# KiCad board OctoCom.kicad_pcb
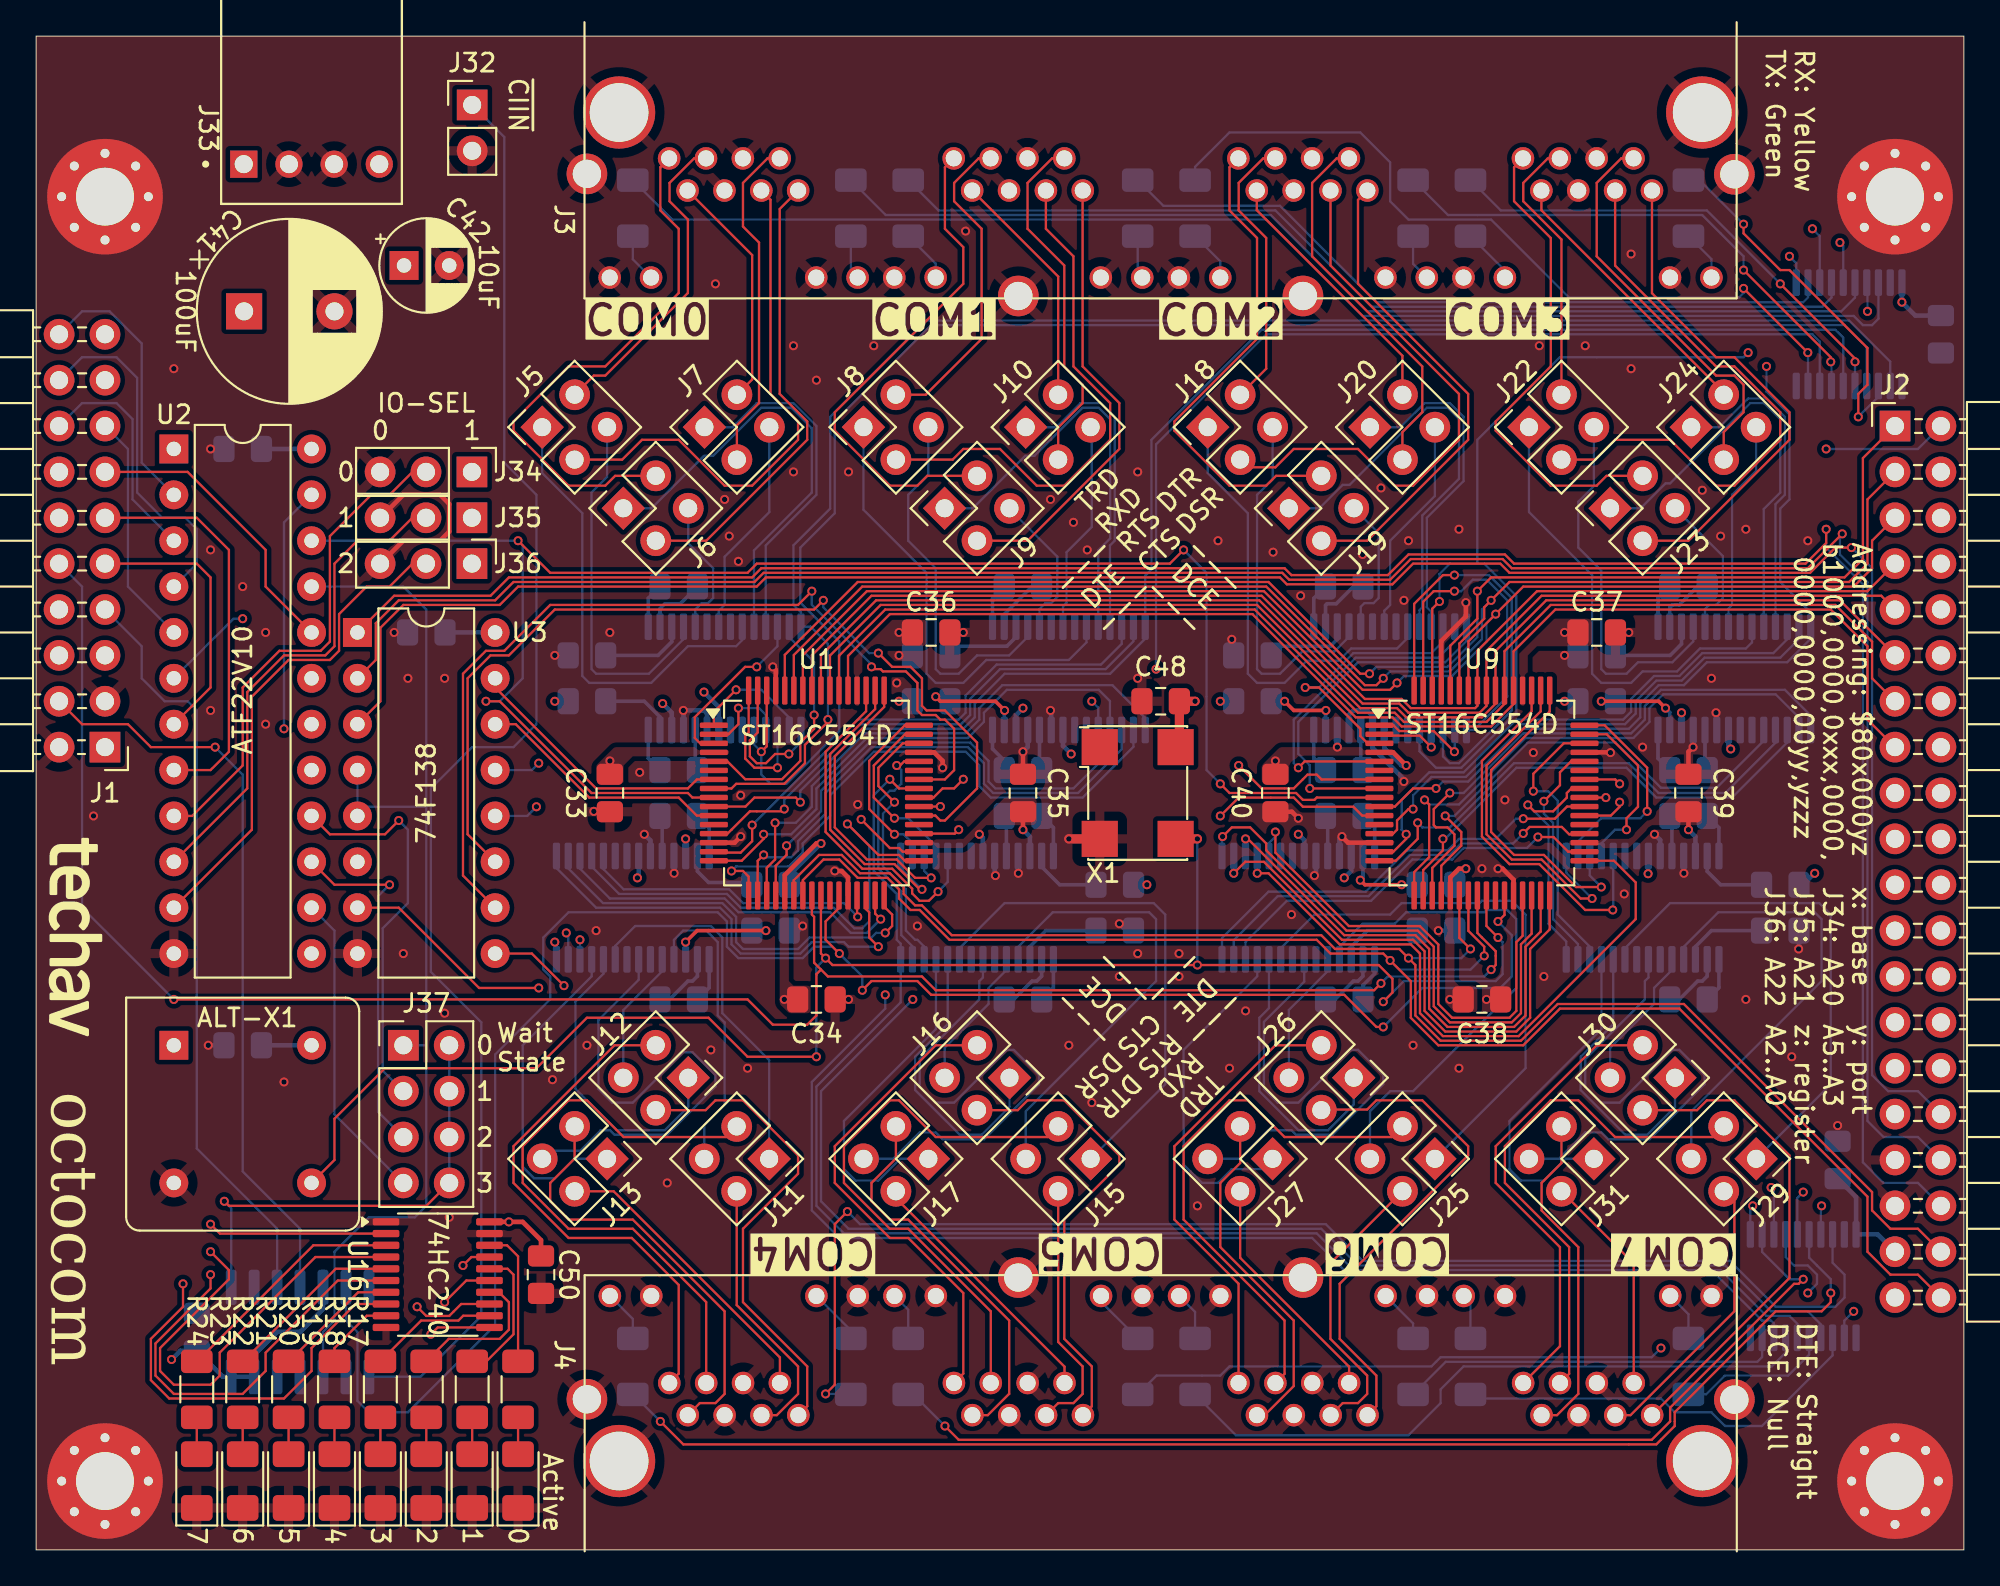
[diagram p0: board, top side]
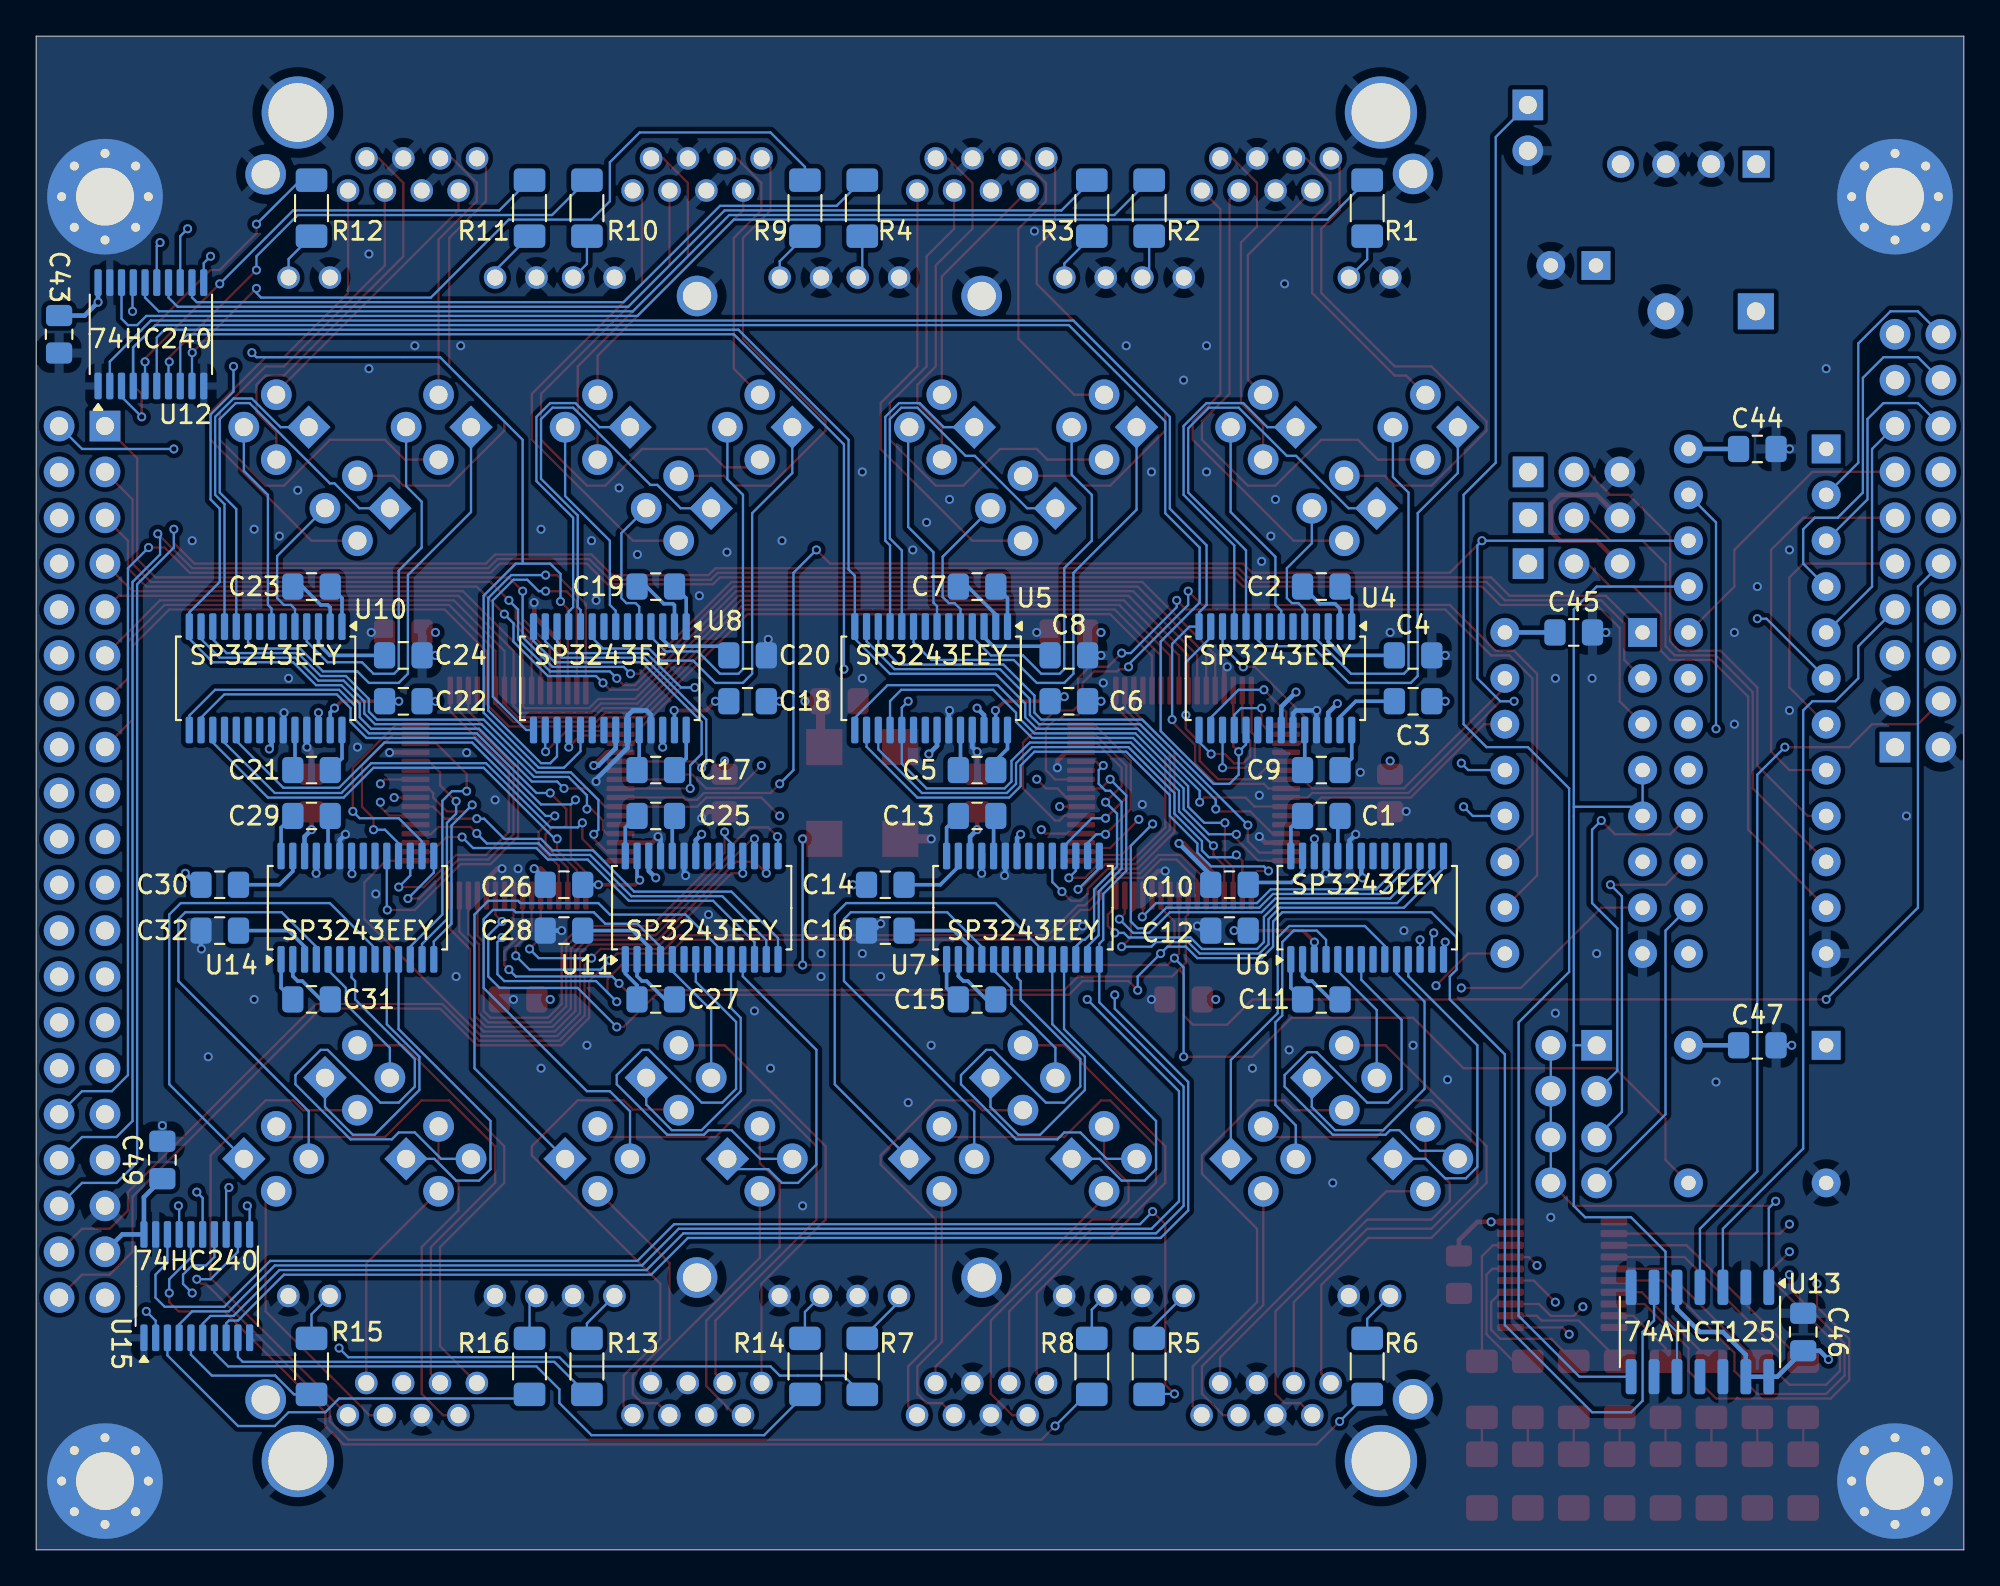
[diagram p1: board, bottom side, seen from below]

Outline 106.68 x 83.82 mm; copper layers: Top, In1.Cu, In2.Cu, Bottom. Coordinates in mm from the lower left corner of the outline.
Outline path: 0,83.82 106.68,83.82 106.68,0 0,0 0,83.82
Stack: Top 0.035mm / dielectric 0.1mm FR4 er 4.5 / In1.Cu 0.035mm / dielectric 1.24mm FR4 er 4.5 / In2.Cu 0.035mm / dielectric 0.1mm FR4 er 4.5 / Bottom 0.035mm

## Placement (name value [footprint] x y rotation side)
ALT-X1  1.8432M  [Oscillator_DIP-8]  7.62 27.94 270 top  (not fitted)
C1  33n  [C_0805_2012Metric_Pad1.18x1.45mm_HandSolder]  35.56 43.18 0 bottom
C2  33n  [C_0805_2012Metric_Pad1.18x1.45mm_HandSolder]  35.56 53.34 0 bottom
C3  33n  [C_0805_2012Metric_Pad1.18x1.45mm_HandSolder]  30.48 46.99 180 bottom
C4  33n  [C_0805_2012Metric_Pad1.18x1.45mm_HandSolder]  30.48 49.53 180 bottom
C5  33n  [C_0805_2012Metric_Pad1.18x1.45mm_HandSolder]  54.61 43.18 0 bottom
C6  33n  [C_0805_2012Metric_Pad1.18x1.45mm_HandSolder]  49.53 46.99 180 bottom
C7  33n  [C_0805_2012Metric_Pad1.18x1.45mm_HandSolder]  54.61 53.34 0 bottom
C8  33n  [C_0805_2012Metric_Pad1.18x1.45mm_HandSolder]  49.53 49.53 180 bottom
C9  33n  [C_0805_2012Metric_Pad1.18x1.45mm_HandSolder]  35.56 40.64 180 bottom
C10  33n  [C_0805_2012Metric_Pad1.18x1.45mm_HandSolder]  40.64 36.83 0 bottom
C11  33n  [C_0805_2012Metric_Pad1.18x1.45mm_HandSolder]  35.56 30.48 180 bottom
C12  33n  [C_0805_2012Metric_Pad1.18x1.45mm_HandSolder]  40.64 34.29 0 bottom
C13  33n  [C_0805_2012Metric_Pad1.18x1.45mm_HandSolder]  54.61 40.64 180 bottom
C14  33n  [C_0805_2012Metric_Pad1.18x1.45mm_HandSolder]  59.69 36.83 0 bottom
C15  33n  [C_0805_2012Metric_Pad1.18x1.45mm_HandSolder]  54.61 30.48 180 bottom
C16  33n  [C_0805_2012Metric_Pad1.18x1.45mm_HandSolder]  59.69 34.29 0 bottom
C17  33n  [C_0805_2012Metric_Pad1.18x1.45mm_HandSolder]  72.39 43.18 0 bottom
C18  33n  [C_0805_2012Metric_Pad1.18x1.45mm_HandSolder]  67.31 46.99 180 bottom
C19  33n  [C_0805_2012Metric_Pad1.18x1.45mm_HandSolder]  72.39 53.34 0 bottom
C20  33n  [C_0805_2012Metric_Pad1.18x1.45mm_HandSolder]  67.31 49.53 180 bottom
C21  33n  [C_0805_2012Metric_Pad1.18x1.45mm_HandSolder]  91.44 43.18 0 bottom
C22  33n  [C_0805_2012Metric_Pad1.18x1.45mm_HandSolder]  86.36 46.99 180 bottom
C23  33n  [C_0805_2012Metric_Pad1.18x1.45mm_HandSolder]  91.44 53.34 0 bottom
C24  33n  [C_0805_2012Metric_Pad1.18x1.45mm_HandSolder]  86.36 49.53 180 bottom
C25  33n  [C_0805_2012Metric_Pad1.18x1.45mm_HandSolder]  72.39 40.64 180 bottom
C26  33n  [C_0805_2012Metric_Pad1.18x1.45mm_HandSolder]  77.47 36.83 0 bottom
C27  33n  [C_0805_2012Metric_Pad1.18x1.45mm_HandSolder]  72.39 30.48 180 bottom
C28  33n  [C_0805_2012Metric_Pad1.18x1.45mm_HandSolder]  77.47 34.29 0 bottom
C29  33n  [C_0805_2012Metric_Pad1.18x1.45mm_HandSolder]  91.44 40.64 180 bottom
C30  33n  [C_0805_2012Metric_Pad1.18x1.45mm_HandSolder]  96.52 36.83 0 bottom
C31  33n  [C_0805_2012Metric_Pad1.18x1.45mm_HandSolder]  91.44 30.48 180 bottom
C32  33n  [C_0805_2012Metric_Pad1.18x1.45mm_HandSolder]  96.52 34.29 0 bottom
C33  33n  [C_0805_2012Metric_Pad1.18x1.45mm_HandSolder]  31.75 41.91 270 top
C34  33n  [C_0805_2012Metric_Pad1.18x1.45mm_HandSolder]  43.18 30.48 0 top
C35  33n  [C_0805_2012Metric_Pad1.18x1.45mm_HandSolder]  54.61 41.91 90 top
C36  33n  [C_0805_2012Metric_Pad1.18x1.45mm_HandSolder]  49.53 50.8 0 top
C37  33n  [C_0805_2012Metric_Pad1.18x1.45mm_HandSolder]  86.36 50.8 0 top
C38  33n  [C_0805_2012Metric_Pad1.18x1.45mm_HandSolder]  80.01 30.48 0 top
C39  33n  [C_0805_2012Metric_Pad1.18x1.45mm_HandSolder]  91.44 41.91 90 top
C40  33n  [C_0805_2012Metric_Pad1.18x1.45mm_HandSolder]  68.58 41.91 270 top
C41  100uF  [CP_Radial_D10.0mm_P5.00mm]  11.51 68.58 0 top
C42  10uF  [CP_Radial_D5.0mm_P2.50mm]  20.36 71.12 0 top
C43  33n  [C_0805_2012Metric_Pad1.18x1.45mm_HandSolder]  105.41 67.31 270 bottom
C44  33n  [C_0805_2012Metric_Pad1.18x1.45mm_HandSolder]  11.43 60.96 180 bottom
C45  33n  [C_0805_2012Metric_Pad1.18x1.45mm_HandSolder]  21.59 50.8 180 bottom
C46  33n  [C_0805_2012Metric_Pad1.18x1.45mm_HandSolder]  8.89 12.06 90 bottom
C47  33n  [C_0805_2012Metric_Pad1.18x1.45mm_HandSolder]  11.43 27.94 180 bottom
C48  33n  [C_0805_2012Metric_Pad1.18x1.45mm_HandSolder]  62.23 46.99 180 top
C49  33n  [C_0805_2012Metric_Pad1.18x1.45mm_HandSolder]  99.69 21.59 90 bottom
C50  33n  [C_0805_2012Metric_Pad1.18x1.45mm_HandSolder]  27.94 15.24 270 top
D1  LED  [LED_1206_3216Metric_Pad1.42x1.75mm_HandSolder]  26.67 3.81 90 top
D2  LED  [LED_1206_3216Metric_Pad1.42x1.75mm_HandSolder]  24.13 3.81 90 top
D3  LED  [LED_1206_3216Metric_Pad1.42x1.75mm_HandSolder]  21.59 3.81 90 top
D4  LED  [LED_1206_3216Metric_Pad1.42x1.75mm_HandSolder]  19.05 3.81 90 top
D5  LED  [LED_1206_3216Metric_Pad1.42x1.75mm_HandSolder]  16.51 3.81 90 top
D6  LED  [LED_1206_3216Metric_Pad1.42x1.75mm_HandSolder]  13.97 3.81 90 top
D7  LED  [LED_1206_3216Metric_Pad1.42x1.75mm_HandSolder]  11.43 3.81 90 top
D8  LED  [LED_1206_3216Metric_Pad1.42x1.75mm_HandSolder]  8.89 3.81 90 top
H1  M3  [MountingHole_3.2mm_M3_Pad_Via]  3.81 3.81 0 top
H2  M3  [MountingHole_3.2mm_M3_Pad_Via]  102.87 3.81 0 top
H3  M3  [MountingHole_3.2mm_M3_Pad_Via]  102.87 74.93 0 top
H4  M3  [MountingHole_3.2mm_M3_Pad_Via]  3.81 74.93 0 top
J1  Conn_02x10_Odd_Even  [PinHeader_2x10_P2.54mm_Horizontal]  3.81 44.45 180 top
J2  Conn_02x20_Odd_Even  [PinHeader_2x20_P2.54mm_Horizontal]  102.87 62.23 0 top
J3  8P8C_LED_Shielded_x4  [CRJ047-L3-TH]  62.23 85.09 180 top
J4  8P8C_LED_Shielded_x4  [CRJ047-L3-TH]  62.23 -0.58 0 top
J5  Conn_02x02_Odd_Even  [PinHeader_2x02_P2.54mm_Vertical]  28 62.17 45 top
J6  Conn_02x02_Odd_Even  [PinHeader_2x02_P2.54mm_Vertical]  32.49 57.68 45 top
J7  Conn_02x02_Odd_Even  [PinHeader_2x02_P2.54mm_Vertical]  36.98 62.17 45 top
J8  Conn_02x02_Odd_Even  [PinHeader_2x02_P2.54mm_Vertical]  45.78 62.17 45 top
J9  Conn_02x02_Odd_Even  [PinHeader_2x02_P2.54mm_Vertical]  50.27 57.68 45 top
J10  Conn_02x02_Odd_Even  [PinHeader_2x02_P2.54mm_Vertical]  54.76 62.17 45 top
J11  Conn_02x02_Odd_Even  [PinHeader_2x02_P2.54mm_Vertical]  40.57 21.65 225 top
J12  Conn_02x02_Odd_Even  [PinHeader_2x02_P2.54mm_Vertical]  36.09 26.14 225 top
J13  Conn_02x02_Odd_Even  [PinHeader_2x02_P2.54mm_Vertical]  31.6 21.65 225 top
J15  Conn_02x02_Odd_Even  [PinHeader_2x02_P2.54mm_Vertical]  58.36 21.65 225 top
J16  Conn_02x02_Odd_Even  [PinHeader_2x02_P2.54mm_Vertical]  53.87 26.14 225 top
J17  Conn_02x02_Odd_Even  [PinHeader_2x02_P2.54mm_Vertical]  49.38 21.65 225 top
J18  Conn_02x02_Odd_Even  [PinHeader_2x02_P2.54mm_Vertical]  64.83 62.17 45 top
J19  Conn_02x02_Odd_Even  [PinHeader_2x02_P2.54mm_Vertical]  69.32 57.68 45 top
J20  Conn_02x02_Odd_Even  [PinHeader_2x02_P2.54mm_Vertical]  73.81 62.17 45 top
J22  Conn_02x02_Odd_Even  [PinHeader_2x02_P2.54mm_Vertical]  82.61 62.17 45 top
J23  Conn_02x02_Odd_Even  [PinHeader_2x02_P2.54mm_Vertical]  87.1 57.68 45 top
J24  Conn_02x02_Odd_Even  [PinHeader_2x02_P2.54mm_Vertical]  91.59 62.17 45 top
J25  Conn_02x02_Odd_Even  [PinHeader_2x02_P2.54mm_Vertical]  77.41 21.65 225 top
J26  Conn_02x02_Odd_Even  [PinHeader_2x02_P2.54mm_Vertical]  72.92 26.14 225 top
J27  Conn_02x02_Odd_Even  [PinHeader_2x02_P2.54mm_Vertical]  68.43 21.65 225 top
J29  Conn_02x02_Odd_Even  [PinHeader_2x02_P2.54mm_Vertical]  95.19 21.65 225 top
J30  Conn_02x02_Odd_Even  [PinHeader_2x02_P2.54mm_Vertical]  90.7 26.14 225 top
J31  Conn_02x02_Odd_Even  [PinHeader_2x02_P2.54mm_Vertical]  86.21 21.65 225 top
J32  Conn_01x02  [PinHeader_1x02_P2.54mm_Vertical]  24.13 80.01 0 top
J33  4-171826-4  [TE_4-171826-4]  15.24 81.28 180 top
J34  Conn_01x03  [PinHeader_1x03_P2.54mm_Vertical]  24.11 59.69 270 top
J35  Conn_01x03  [PinHeader_1x03_P2.54mm_Vertical]  24.11 57.15 270 top
J36  Conn_01x03  [PinHeader_1x03_P2.54mm_Vertical]  24.11 54.61 270 top
J37  Conn_02x04_Odd_Even  [PinHeader_2x04_P2.54mm_Vertical]  20.32 27.94 0 top
R1  180  [R_1206_3216Metric_Pad1.30x1.75mm_HandSolder]  33.02 74.29 270 bottom
R2  180  [R_1206_3216Metric_Pad1.30x1.75mm_HandSolder]  45.08 74.29 270 bottom
R3  180  [R_1206_3216Metric_Pad1.30x1.75mm_HandSolder]  48.26 74.29 270 bottom
R4  180  [R_1206_3216Metric_Pad1.30x1.75mm_HandSolder]  60.96 74.29 270 bottom
R5  180  [R_1206_3216Metric_Pad1.30x1.75mm_HandSolder]  45.08 10.16 90 bottom
R6  180  [R_1206_3216Metric_Pad1.30x1.75mm_HandSolder]  33.02 10.16 90 bottom
R7  180  [R_1206_3216Metric_Pad1.30x1.75mm_HandSolder]  60.96 10.16 90 bottom
R8  180  [R_1206_3216Metric_Pad1.30x1.75mm_HandSolder]  48.26 10.16 90 bottom
R9  180  [R_1206_3216Metric_Pad1.30x1.75mm_HandSolder]  64.13 74.29 270 bottom
R10  180  [R_1206_3216Metric_Pad1.30x1.75mm_HandSolder]  76.2 74.29 270 bottom
R11  180  [R_1206_3216Metric_Pad1.30x1.75mm_HandSolder]  79.38 74.29 270 bottom
R12  180  [R_1206_3216Metric_Pad1.30x1.75mm_HandSolder]  91.44 74.29 270 bottom
R13  180  [R_1206_3216Metric_Pad1.30x1.75mm_HandSolder]  76.2 10.16 90 bottom
R14  180  [R_1206_3216Metric_Pad1.30x1.75mm_HandSolder]  64.13 10.16 90 bottom
R15  180  [R_1206_3216Metric_Pad1.30x1.75mm_HandSolder]  91.44 10.16 90 bottom
R16  180  [R_1206_3216Metric_Pad1.30x1.75mm_HandSolder]  79.38 10.16 90 bottom
R17  180  [R_1206_3216Metric_Pad1.30x1.75mm_HandSolder]  26.67 8.89 270 top
R18  180  [R_1206_3216Metric_Pad1.30x1.75mm_HandSolder]  24.13 8.89 270 top
R19  180  [R_1206_3216Metric_Pad1.30x1.75mm_HandSolder]  21.59 8.89 270 top
R20  180  [R_1206_3216Metric_Pad1.30x1.75mm_HandSolder]  19.05 8.89 270 top
R21  180  [R_1206_3216Metric_Pad1.30x1.75mm_HandSolder]  16.51 8.89 270 top
R22  180  [R_1206_3216Metric_Pad1.30x1.75mm_HandSolder]  13.97 8.89 270 top
R23  180  [R_1206_3216Metric_Pad1.30x1.75mm_HandSolder]  11.43 8.89 270 top
R24  180  [R_1206_3216Metric_Pad1.30x1.75mm_HandSolder]  8.89 8.89 270 top
U1  ST16C554D  [LQFP-64_10x10mm_P0.5mm]  43.18 41.91 0 top
U2  ATF22V10  [DIP-24_W7.62mm]  7.62 60.96 0 top
U3  74F138  [DIP-16_W7.62mm]  17.78 50.8 0 top
U4  SP3243EEY  [TSSOP-28_4.4x9.7mm_P0.65mm]  38.1 48.26 270 bottom
U5  SP3243EEY  [TSSOP-28_4.4x9.7mm_P0.65mm]  57.15 48.26 270 bottom
U6  SP3243EEY  [TSSOP-28_4.4x9.7mm_P0.65mm]  33.02 35.56 90 bottom
U7  SP3243EEY  [TSSOP-28_4.4x9.7mm_P0.65mm]  52.07 35.56 90 bottom
U8  SP3243EEY  [TSSOP-28_4.4x9.7mm_P0.65mm]  74.93 48.26 270 bottom
U9  ST16C554D  [LQFP-64_10x10mm_P0.5mm]  80.01 41.91 0 top
U10  SP3243EEY  [TSSOP-28_4.4x9.7mm_P0.65mm]  93.98 48.26 270 bottom
U11  SP3243EEY  [TSSOP-28_4.4x9.7mm_P0.65mm]  69.85 35.56 90 bottom
U12  74HC240  [TSSOP-20_4.4x6.5mm_P0.65mm]  100.33 67.31 90 bottom
U13  74AHCT125  [SO-14_3.9x8.65mm_P1.27mm]  14.6 12.06 270 bottom
U14  SP3243EEY  [TSSOP-28_4.4x9.7mm_P0.65mm]  88.9 35.56 90 bottom
U15  74HC240  [TSSOP-20_4.4x6.5mm_P0.65mm]  97.79 14.6 90 bottom
U16  74HC240  [TSSOP-20_4.4x6.5mm_P0.65mm]  22.22 15.24 0 top
X1  1.8432M  [Oscillator_SMD_Abracon_ASV-4Pin_7.0x5.1mm]  60.96 41.91 270 top

## Library data of the parts
ALT-X1 = -: Datasheet: http://cdn-reichelt.de/documents/datenblatt/B400/OSZI.pdf; Notes: Mouser; Mouser: 520-TCH184-X; ki_fp_filters: Oscillator*DIP*8*
C1-C40 C43-C50 = -: Description: Unpolarized capacitor, small symbol; Mouser: 791-0805B333K160CT; JLC: C1739; ki_fp_filters: C_*
C41 C42 = -: Description: Polarized capacitor, small US symbol; ki_fp_filters: CP_*
D1-D8 = -: Description: Light emitting diode; ki_fp_filters: LED* LED_SMD:* LED_THT:*
H1-H4 = -: Description: Mounting Hole with connection; ki_fp_filters: MountingHole*Pad*
J1 = -: Description: Generic connector, double row, 02x10, odd/even pin numbering scheme (row 1 odd numbers, row 2 even numbers), script generated (kicad-library-utils/schlib/autogen/connector/); ki_fp_filters: Connector*:*_2x??_*
J2 = -: Description: Generic connector, double row, 02x20, odd/even pin numbering scheme (row 1 odd numbers, row 2 even numbers), script generated (kicad-library-utils/schlib/autogen/connector/); ki_fp_filters: Connector*:*_2x??_*
J3 J4 = -: Description: RJ connector, 8P8C (8 positions 8 connected), two LEDs, RJ45, Shielded, four ports; Mouser: 490-CRJ047-L3-TH; ki_fp_filters: 8P8C*02* RJ45*02*
J5-J13 J15-J20 J22-J27 J29-J31 = -: Description: Generic connector, double row, 02x02, odd/even pin numbering scheme (row 1 odd numbers, row 2 even numbers), script generated (kicad-library-utils/schlib/autogen/connector/); ki_fp_filters: Connector*:*_2x??_*
J32 = -: Description: Generic connector, single row, 01x02, script generated (kicad-library-utils/schlib/autogen/connector/); ki_fp_filters: Connector*:*_1x??_*
J33 = -: MANUFACTURER: TE
J34-J36 = -: Description: Generic connector, single row, 01x03, script generated (kicad-library-utils/schlib/autogen/connector/); ki_fp_filters: Connector*:*_1x??_*
J37 = -: Description: Generic connector, double row, 02x04, odd/even pin numbering scheme (row 1 odd numbers, row 2 even numbers), script generated (kicad-library-utils/schlib/autogen/connector/); ki_fp_filters: Connector*:*_2x??_*
R1-R24 = -: Description: Resistor, small symbol; Mouser: 660-RK73B2BTTE181J; ki_fp_filters: R_*
U1 U9 = -: Datasheet: https://www.mouser.com/datasheet/2/146/ST16C554_ST16C554D_ST68C554-1889097.pdf; Description: Quad UARTs with 16-Byte FIFO; Mouser: 701-ST16C554DIQ64-F; JLC: C60458
U2 = -: Description: Programmable Logic Array, DIP-24 (Narrow); Mouser: 556-AF22V10C7PX; ki_fp_filters: DIP* PDIP*
U3 = -: Datasheet: http://www.ti.com/lit/ds/symlink/cd74hc238.pdf; Description: 3-to-8 line decoder/multiplexer inverting, DIP-16/SOIC-16/SSOP-16; Mouser: 595-SN74F138N; ki_fp_filters: DIP*W7.62mm* SOIC*3.9x9.9mm*P1.27mm* SSOP*5.3x6.2mm*P0.65mm*
U4-U8 U10 U11 U14 = -: Datasheet: https://www.mouser.com/datasheet/2/146/sp3243e-1664123.pdf; Description: RS-232 Interface; Mouser: 701-SP3243EEY-L; JLC: C702759
U12 U15 U16 = -: Datasheet: http://www.ti.com/lit/ds/symlink/sn74ls240.pdf; Description: Octal Buffer and Line Driver With 3-State Output, active-low enables, inverting outputs; ki_fp_filters: DIP?20*
U13 = -: Datasheet: https://www.ti.com/lit/ds/symlink/sn74ahct125.pdf; Description: Quadruple Bus Buffer Gates With 3-State Outputs; Mouser: 595-SN74AHCT125DR; ki_fp_filters: DIP*W7.62mm* SO14* SSOP?14* TSSOP?14* SOIC*3.9x8.7mm*P1.27mm*
X1 = -: Description: 5V ±20ppm 10mA ±30ppm CMOS 1.8432MHz SMD7050-4P Crystal Oscillators ROHS; JLC: C386895; ki_fp_filters: Oscillator*SMD*Abracon*ASE*3.2x2.5mm*

## Footprints (pads in the part's own frame, mm; a bottom-side part is the same pattern mirrored in y, then rotated)
C_0805_2012Metric_Pad1.18x1.45mm_HandSolder
  rrect 1.175x1.45 smd: 1(-1.038,0) 2(1.038,0)
CP_Radial_D5.0mm_P2.50mm
  rect 1.6x1.6 hole 0.8: 1(0,0)
  round 1.6 hole 0.8: 2(2.5,0)
CP_Radial_D10.0mm_P5.00mm
  rect 2x2 hole 1: 1(0,0)
  round 2 hole 1: 2(5,0)
CRJ047-L3-TH
  round 1.25 hole 0.89: A1(-20.05,8.04) A2(-21.07,9.82) A3(-22.09,8.04) A4(-23.11,9.82) A5(-24.13,8.04) A6(-25.15,9.82) A7(-26.17,8.04) A8(-27.19,9.82) A9(-16.76,14.64) A10(-19.05,14.64) A11(-28.19,14.64) A12(-30.48,14.64) B1(-4.3,8.04) B2(-5.32,9.82) B3(-6.34,8.04) B4(-7.36,9.82) B5(-8.38,8.04) B6(-9.4,9.82) B7(-10.42,8.04) B8(-11.44,9.82) B9(-1.01,14.64) B10(-3.3,14.64) B11(-12.44,14.64) B12(-14.73,14.64) C1(11.45,8.04) C2(10.43,9.82) C3(9.41,8.04) C4(8.39,9.82) C5(7.37,8.04) C6(6.35,9.82) C7(5.33,8.04) C8(4.31,9.82) C9(14.74,14.64) C10(12.45,14.64) C11(3.31,14.64) C12(1.02,14.64) D1(27.2,8.04) D2(26.18,9.82) D3(25.16,8.04) D4(24.14,9.82) D5(23.12,8.04) D6(22.1,9.82) D7(21.08,8.04) D8(20.06,9.82) D9(30.49,14.64) D10(28.2,14.64) D11(19.06,14.64) D12(16.77,14.64)
  round 2.25 hole 1.57: SH(-31.75,8.92) SH(-7.875,15.66) SH(7.875,15.66) SH(31.75,8.9)
  round 4 hole 3.25: SH(-29.97,5.5) SH(29.97,5.5)
DIP-16_W7.62mm
  rect 1.6x1.6 hole 0.8: 1(0,0)
  oval 1.6x1.6 hole 0.8: 2(0,-2.54) 3(0,-5.08) 4(0,-7.62) 5(0,-10.16) 6(0,-12.7) 7(0,-15.24) 8(0,-17.78) 9(7.62,-17.78) 10(7.62,-15.24) 11(7.62,-12.7) 12(7.62,-10.16) 13(7.62,-7.62) 14(7.62,-5.08) 15(7.62,-2.54) 16(7.62,0)
DIP-24_W7.62mm
  rect 1.6x1.6 hole 0.8: 1(0,0)
  oval 1.6x1.6 hole 0.8: 2(0,-2.54) 3(0,-5.08) 4(0,-7.62) 5(0,-10.16) 6(0,-12.7) 7(0,-15.24) 8(0,-17.78) 9(0,-20.32) 10(0,-22.86) 11(0,-25.4) 12(0,-27.94) 13(7.62,-27.94) 14(7.62,-25.4) 15(7.62,-22.86) 16(7.62,-20.32) 17(7.62,-17.78) 18(7.62,-15.24) 19(7.62,-12.7) 20(7.62,-10.16) 21(7.62,-7.62) 22(7.62,-5.08) 23(7.62,-2.54) 24(7.62,0)
LED_1206_3216Metric_Pad1.42x1.75mm_HandSolder
  rrect 1.425x1.75 smd: 1(-1.488,0) 2(1.488,0)
LQFP-64_10x10mm_P0.5mm
  rrect 1.55x0.3 smd: 1(-5.675,3.75) 2(-5.675,3.25) 3(-5.675,2.75) 4(-5.675,2.25) 5(-5.675,1.75) 6(-5.675,1.25) 7(-5.675,0.75) 8(-5.675,0.25) 9(-5.675,-0.25) 10(-5.675,-0.75) 11(-5.675,-1.25) 12(-5.675,-1.75) 13(-5.675,-2.25) 14(-5.675,-2.75) 15(-5.675,-3.25) 16(-5.675,-3.75) 33(5.675,-3.75) 34(5.675,-3.25) 35(5.675,-2.75) 36(5.675,-2.25) 37(5.675,-1.75) 38(5.675,-1.25) 39(5.675,-0.75) 40(5.675,-0.25) 41(5.675,0.25) 42(5.675,0.75) 43(5.675,1.25) 44(5.675,1.75) 45(5.675,2.25) 46(5.675,2.75) 47(5.675,3.25) 48(5.675,3.75)
  rrect 0.3x1.55 smd: 17(-3.75,-5.675) 18(-3.25,-5.675) 19(-2.75,-5.675) 20(-2.25,-5.675) 21(-1.75,-5.675) 22(-1.25,-5.675) 23(-0.75,-5.675) 24(-0.25,-5.675) 25(0.25,-5.675) 26(0.75,-5.675) 27(1.25,-5.675) 28(1.75,-5.675) 29(2.25,-5.675) 30(2.75,-5.675) 31(3.25,-5.675) 32(3.75,-5.675) 49(3.75,5.675) 50(3.25,5.675) 51(2.75,5.675) 52(2.25,5.675) 53(1.75,5.675) 54(1.25,5.675) 55(0.75,5.675) 56(0.25,5.675) 57(-0.25,5.675) 58(-0.75,5.675) 59(-1.25,5.675) 60(-1.75,5.675) 61(-2.25,5.675) 62(-2.75,5.675) 63(-3.25,5.675) 64(-3.75,5.675)
MountingHole_3.2mm_M3_Pad_Via
  round 0.8 hole 0.5: 1(-2.4,0) 1(-1.697,1.697) 1(-1.697,-1.697) 1(0,2.4) 1(0,-2.4) 1(1.697,1.697) 1(1.697,-1.697) 1(2.4,0)
  round 6.4 hole 3.2: 1(0,0)
Oscillator_DIP-8
  rect 1.6x1.6 hole 0.8: 1(0,0)
  round 1.6 hole 0.8: 4(7.62,0) 5(7.62,7.62) 8(0,7.62)
Oscillator_SMD_Abracon_ASV-4Pin_7.0x5.1mm
  rect 2x2 smd: 1(-2.54,-2.1) 2(2.54,-2.1) 3(2.54,2.1) 4(-2.54,2.1)
PinHeader_1x02_P2.54mm_Vertical
  rect 1.7x1.7 hole 1: 1(0,0)
  oval 1.7x1.7 hole 1: 2(0,-2.54)
PinHeader_1x03_P2.54mm_Vertical
  rect 1.7x1.7 hole 1: 1(0,0)
  oval 1.7x1.7 hole 1: 2(0,-2.54) 3(0,-5.08)
PinHeader_2x02_P2.54mm_Vertical
  rect 1.7x1.7 hole 1: 1(0,0)
  oval 1.7x1.7 hole 1: 2(2.54,0) 3(0,-2.54) 4(2.54,-2.54)
PinHeader_2x04_P2.54mm_Vertical
  rect 1.7x1.7 hole 1: 1(0,0)
  oval 1.7x1.7 hole 1: 2(2.54,0) 3(0,-2.54) 4(2.54,-2.54) 5(0,-5.08) 6(2.54,-5.08) 7(0,-7.62) 8(2.54,-7.62)
PinHeader_2x10_P2.54mm_Horizontal
  rect 1.7x1.7 hole 1: 1(0,0)
  oval 1.7x1.7 hole 1: 2(2.54,0) 3(0,-2.54) 4(2.54,-2.54) 5(0,-5.08) 6(2.54,-5.08) 7(0,-7.62) 8(2.54,-7.62) 9(0,-10.16) 10(2.54,-10.16) 11(0,-12.7) 12(2.54,-12.7) 13(0,-15.24) 14(2.54,-15.24) 15(0,-17.78) 16(2.54,-17.78) 17(0,-20.32) 18(2.54,-20.32) 19(0,-22.86) 20(2.54,-22.86)
PinHeader_2x20_P2.54mm_Horizontal
  rect 1.7x1.7 hole 1: 1(0,0)
  oval 1.7x1.7 hole 1: 2(2.54,0) 3(0,-2.54) 4(2.54,-2.54) 5(0,-5.08) 6(2.54,-5.08) 7(0,-7.62) 8(2.54,-7.62) 9(0,-10.16) 10(2.54,-10.16) 11(0,-12.7) 12(2.54,-12.7) 13(0,-15.24) 14(2.54,-15.24) 15(0,-17.78) 16(2.54,-17.78) 17(0,-20.32) 18(2.54,-20.32) 19(0,-22.86) 20(2.54,-22.86) 21(0,-25.4) 22(2.54,-25.4) 23(0,-27.94) 24(2.54,-27.94) 25(0,-30.48) 26(2.54,-30.48) 27(0,-33.02) 28(2.54,-33.02) 29(0,-35.56) 30(2.54,-35.56) 31(0,-38.1) 32(2.54,-38.1) 33(0,-40.64) 34(2.54,-40.64) 35(0,-43.18) 36(2.54,-43.18) 37(0,-45.72) 38(2.54,-45.72) 39(0,-48.26) 40(2.54,-48.26)